# Altium PCB Gebru.PcbDoc (part 1 of 3) (continued)
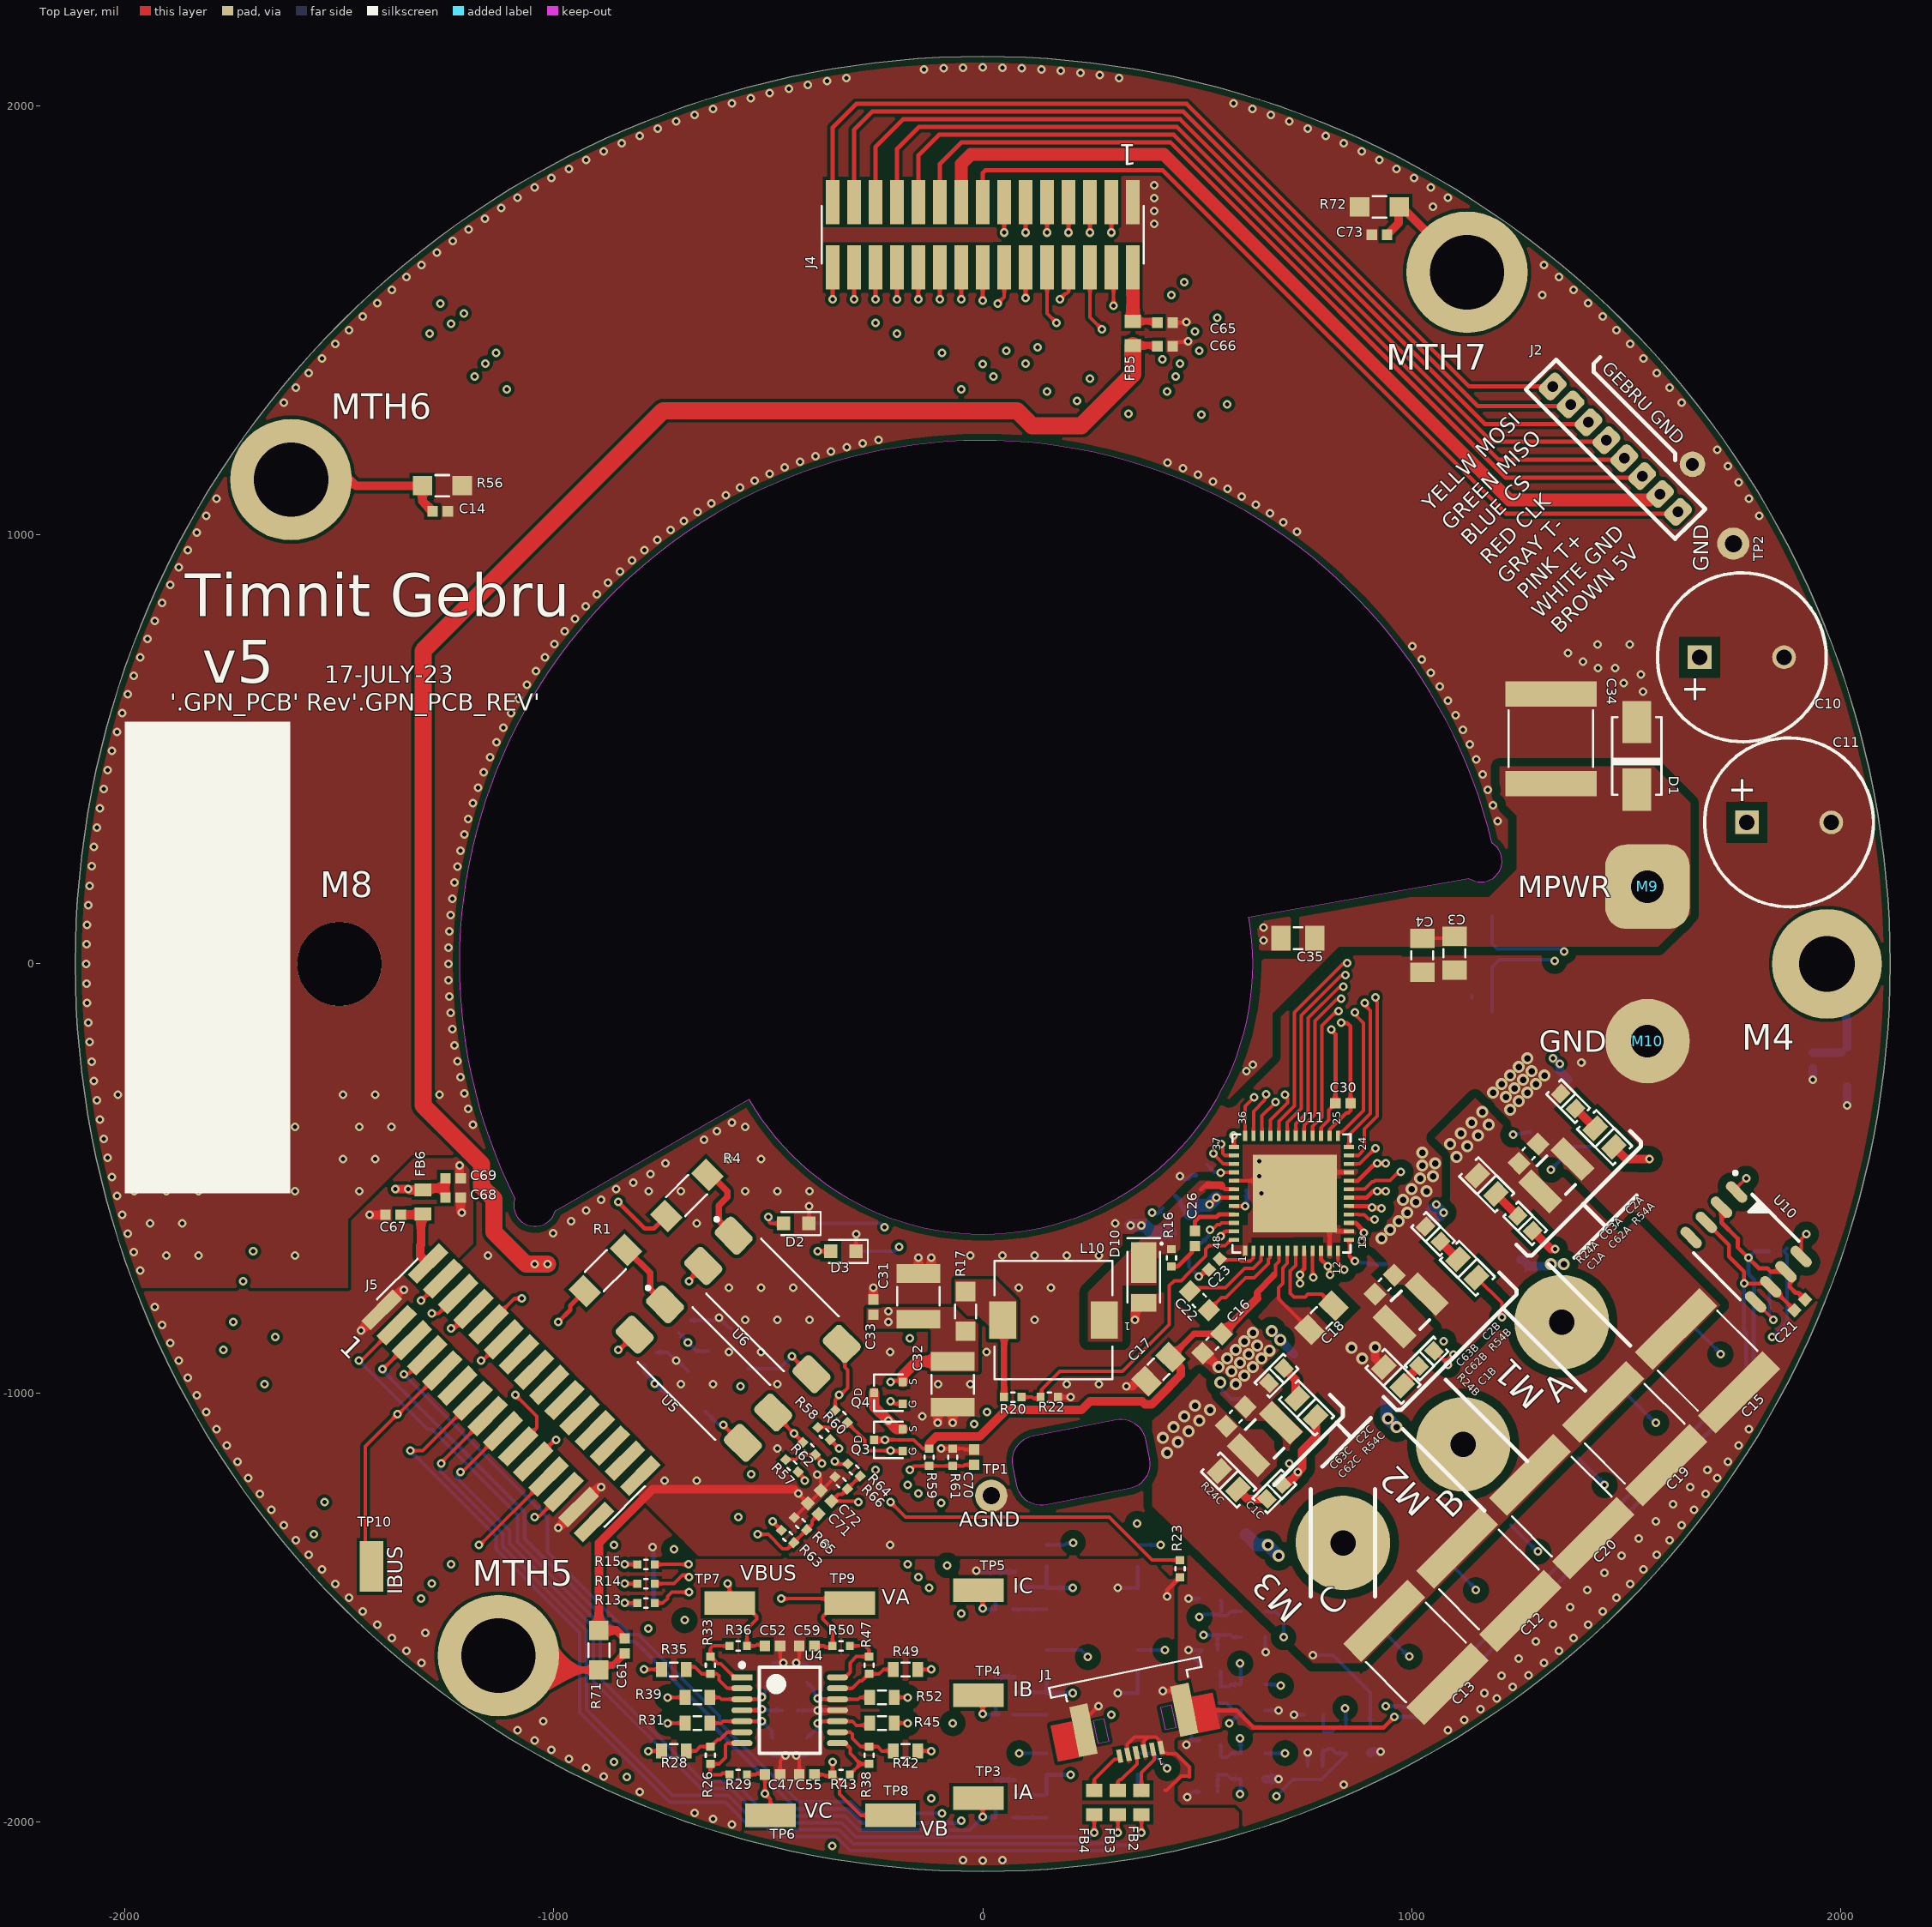
[diagram p0: Top Layer view]
## Design rules (kind name [scope] priority, off if disabled: settings) (continued)
MinimumAnnularRing [All] p1: minimumring=3.5
MinimumSolderMaskSliver MinimumSolderMaskSliver_Via [IsVia vs IsVia] p1: minsoldermaskwidth=0
MinimumSolderMaskSliver [All] p2: minsoldermaskwidth=3
PermittedLayers ThroughHole [IsDIP] p1: toplayerpermitted=TRUE bottomlayerpermitted=FALSE // Single sided through hole only
PermittedLayers [All] p2: toplayerpermitted=TRUE bottomlayerpermitted=TRUE
PlaneClearance HV_1 [InNetClass('HV')] p1: clearance=20
PlaneClearance HV_2 [InNetClass('HVSW')] p2: clearance=20
PlaneClearance [All] p3: clearance=10
PlaneConnect [All] p1: planeconnectstyle=Direct reliefexpansion=20 reliefentries=4 reliefconductorwidth=10 reliefairgap=10
PolygonConnect [All vs IsComponentPad] p1: connectstyle=Direct reliefconductorwidth=10 reliefentries=4 polygonreliefangle="90 Angle" airgapwidth=10
RoutingVias [All] p1: holewidth=10 width=20 viastyle="Through Hole" minholewidth=10 minwidth=20 maxholewidth=50 maxwidth=100
SMDEntry [All] p1: side=TRUE corner=TRUE anyangle=TRUE
SMDToCorner [All] p1: distance=100000
SilkToSilkClearance [All] p1: silktosilkclearance=0
SilkToSolderMaskClearance [IsPad] p1: minsilkscreentomaskgap=1 clearancetoexposedcopper=FALSE
SolderMaskExpansion [All] p1: expansion=0 istentingtop=FALSE
ViasUnderSMD [All] p1: allowed=FALSE
Width diff_1 [InNetClass('Diff100Ohm')] p1: maxlimit=100 minlimit=6 preferedwidth=10
Width [All] p2: maxlimit=300 minlimit=8 preferedwidth=8
16 further rules are at their usual default settings.

## Classes and differential pairs
channel class HBridge: PHA PHB PHC
net class HV: MPWR MPWR_IN NetC1A_2 NetC1B_2 NetC1C_2 NetC2A_2 NetC2B_2 NetC2C_2 NetC50_1
net class HVSW: BST GD_CPH GD_CPL GD_VCP GHA GHB GHC NetC26_2 NetC45_1 NetC54_1 NetC58_1 PHASEA PHASEA_OUT PHASEB PHASEB_OUT PHASEC PHASEC_OUT SW
component class sto: C70 C71 C72 D2 D3 Q3 Q4 Q5 Q6 R1 R2 R4 R21 R57 R58 R59 R60 R61 R62 R63 R64 R65 R66 R69 R70 U5 U6
component class PHC: C1C C2C C62C C63C NT1C Q1C Q2C R24C R54C
component class PHB: C1B C2B C62B C63B NT1B Q1B Q2B R24B R54B
component class PHA: C1A C2A C62A C63A NT1A Q1A Q2A R24A R54A
component class mezz: C65 C66 C67 C68 C69 FB5 FB6 J2 J4 J5
component class feedback: C38 C39 C40 C41 C42 C43 C44 C45 C46 C47 C48 C49 C50 C51 C52 C53 C54 C55 C56 C57 C58 C59 C60 R5 R6 R7 R8 R9 R25 R26 R27 R28 R29 R30 R31 R32 R33 R34 R35 R36 R37 R38 R39 R40 R41 R42 R43 R44 R45 R46 R47 R48 R49 R50 R51 R52 R53 TP3 TP4 TP5 TP6 TP7 TP8 TP9 U1 U2 U3 U4
component class driver: C10 C11 C12 C13 C15 C16 C17 C18 C19 C20 C21 C22 C23 C24 C25 C26 C27 C28 C29 C30 C31 C32 C33 C34 C35 C36 C37 D10 L10 R10 R11 R13 R14 R15 R16 R17 R18 R19 R20 R22 R23 TP10 U10 U11
component class 1-Top: 3 C3 C4 C5 C14 C61 C73 D1 FB2 FB3 FB4 J1 M1 M2 M3 M4 M8 M9 M10 MTH5 MTH6 MTH7 PCB100 R3 R56 R71 R72 TP1 TP2

## Components (designator, comment, footprint, x,y, rotation, side; value= is the part's Value field where it differs from the comment)
C1A "1nF" "CAP 0603_1608 RF" 1265,-605 r135 top (schematic designator C1)
C1B "1nF" "CAP 0603_1608 RF" 1035,-920 r225 top (schematic designator C1)
C1C "1nF" "CAP 0603_1608 RF" 680,-1230 r225 top (schematic designator C1)
C2A "2.2nF" "CAP 0603_1608 RF" 1365,-320 r315 top locked (schematic designator C2)
C2B "2.2nF" "CAP 0603_1608 RF" 1050,-630 r315 top (schematic designator C2)
C2C "2.2nF" "CAP 0603_1608 RF" 685,-960 r45 top (schematic designator C2)
C3 "__Template_Cap_Auto" C0805 1100,25 r270 top value=1UF
C4 "__Template_Cap_Auto" C0805 1025,20 r270 top value=1UF
C5 "__Template_Cap" C0402 1935,-225 r270 bottom value=0.01UF
C10 "WURTH 870056175004" WURTH_WCAP-PTHR_10x12.5x5 1770,715 r180 top value=27µF
C11 "WURTH 870056175004" WURTH_WCAP-PTHR_10x12.5x5 1880,330 r180 top value=27µF
C12 "__Template_Cap" C2220 1180,-1435 r315 top value=15uF
C13 "__Template_Cap" C2220 1010,-1605 r315 top value=15uF
C14 "__Template_Cap" C0402 -1265,1055 r0 top value=0.01UF
C15 "__Template_Cap" C2220 1690,-925 r315 top value=15uF
C16 "__Template_Cap_Auto" C0603 535,-885 r225 top value=0.1UF
C17 "__Template_Cap_Auto" C0805 410,-945 r225 top value=1UF
C18 "__Template_Cap_Auto" C0805 790,-825 r45 top value=1UF
C19 "__Template_Cap" C2220 1520,-1095 r315 top value=15uF
C20 "__Template_Cap" C2220 1350,-1265 r315 top value=15uF
C21 "__Template_Cap" C0402 1905,-795 r45 top value=0.1UF
C22 "__Template_Cap" C0603Y 505,-785 r135 top value=0.047µF
C23 "__Template_Cap" C0402 540,-700 r225 top value=1UF
C24 "__Template_Cap" C0402 1850,-670 r180 bottom value=0.1UF
C25 "__Template_Cap" C0402 505,-485 r225 bottom value=1UF
C26 "__Template_Cap" C0402 495,-640 r270 top value=0.01UF
C27 "__Template_Cap" C0402 -785,-1395 r0 bottom value=0.01UF
C28 "__Template_Cap" C0402 -785,-1445 r0 bottom value=0.01UF
C29 "__Template_Cap" C0402 -785,-1495 r0 bottom value=0.01UF
C30 "__Template_Cap" C0402 840,-325 r180 top value=0.1UF
C31 "__Template_Cap" C1210_H2.7mm -150,-775 r90 top value=10uF
C32 "__Template_Cap" C1210_H2.7mm -70,-980 r270 top value=10uF
C33 "__Template_Cap" C0402 -255,-800 r90 top value=0.1UF
C34 "__Template_Cap" C2220 1325,525 r90 top value=15uF
C35 "__Template_Cap_Auto" C0805 735,60 r180 top value=1UF
C36 "__Template_Cap_Auto" C0603 460,-605 r225 bottom value=0.1UF
C37 "__Template_Cap" C0402 615,-510 r90 bottom value=1UF
C38 "__Template_Cap" C0402 75,-1920 r90 bottom value=0.1UF
C39 "__Template_Cap" C0402 75,-1680 r90 bottom value=0.1UF
C40 "__Template_Cap" C0402 75,-1435 r90 bottom value=0.1UF
C41 "__Template_Cap" C0402 30,-1920 r90 bottom value=0.01UF
C42 "__Template_Cap" C0402 30,-1680 r90 bottom value=0.01UF
C43 "__Template_Cap" C0402 30,-1435 r90 bottom value=0.01UF
C44 "__Template_Cap" C0402 530,-1600 r180 bottom value=47pF
C45 "__Template_Cap" C0402 550,-1540 r270 bottom value=47pF
C46 "__Template_Cap" C0402 -450,-1740 r0 bottom value=0.1UF
C47 "__Template_Cap" C0402 -490,-1890 r0 top value=0.01UF
C48 "__Template_Cap" C0402 530,-1480 r0 bottom value=47pF
C49 "__Template_Cap" C0402 775,-1870 r180 bottom value=47pF
C50 "__Template_Cap" C0402 795,-1810 r270 bottom value=47pF
C51 "__Template_Cap" C0402 530,-1765 r180 bottom value=47pF
C52 "__Template_Cap" C0402 -490,-1590 r0 top value=0.1UF
C53 "__Template_Cap" C0402 775,-1750 r0 bottom value=47pF
C54 "__Template_Cap" C0402 550,-1705 r270 bottom value=47pF
C55 "__Template_Cap" C0402 -410,-1890 r180 top value=0.01UF
C56 "__Template_Cap" C0402 530,-1645 r0 bottom value=47pF
C57 "__Template_Cap" C0402 530,-1930 r180 bottom value=47pF
C58 "__Template_Cap" C0402 550,-1870 r270 bottom value=47pF
C59 "__Template_Cap" C0402 -410,-1590 r180 top value=0.01UF
C60 "__Template_Cap" C0402 530,-1810 r0 bottom value=47pF
C61 "__Template_Cap" C0402 -835,-1590 r90 top value=0.01UF
C62A "CAP_CER_1210_4.7UF_100V_20%_X7S" C1210 1337.42,-492.58 r45 top (schematic designator C62)
C62B "CAP_CER_1210_4.7UF_100V_20%_X7S" C1210 997.58,-807.42 r45 top (schematic designator C62)
C62C "CAP_CER_1210_4.7UF_100V_20%_X7S" C1210 657.58,-1107.42 r45 top (schematic designator C62)
C63A "__Template_Cap_Auto" C0603 1272.73,-442.27 r45 top value=0.1UF (schematic designator C63)
C63B "__Template_Cap_Auto" C0603 937.27,-747.73 r45 top value=0.1UF (schematic designator C63)
C63C "__Template_Cap_Auto" C0603 590,-1055 r45 top value=0.1UF (schematic designator C63)
C65 "__Template_Cap" C0402 425,1495 r0 top value=0.1UF
C66 "__Template_Cap" C0402 425,1440 r0 top value=0.1UF
C67 "__Template_Cap" C0402 -1375,-585 r180 top value=0.1UF
C68 "__Template_Cap" C0402 -1235,-545 r0 top value=0.1UF
C69 "__Template_Cap" C0402 -1235,-500 r0 top value=1UF
C70 "__Template_Cap" C0402 -20,-1150 r90 top value=0.1UF
C71 "__Template_Cap" C0402 -395,-1270 r135 top value=0.01UF
C72 "__Template_Cap" C0402 -365,-1240 r135 top value=0.01UF
C73 "__Template_Cap" C0402 925,1700 r180 top value=0.01UF
D1 "__Template_Diode_TVS_A/K" SMA_B130-13-F 1525,485 r90 top value=SMAT70A-13-F
D2 "POWER" LEDSC160X80X90L40-GREEN -435,-605 r180 top value=Green
D3 "STO" LEDSC160X80X90L40-BLUE -325,-670 r180 top value=Blue
D10 "__Template_Diode_Schottky_A/K" POWERDI123_DFLS1100-7 375,-730 r90 top value=DFLS1100-7
FB2 "LAIRD MI0603L221R-10" INDC160X80X105L30N 370,-1955 r270 top value="220 Ohms @ 100 MHz"
FB3 "LAIRD MI0603L221R-10" INDC160X80X105L30N 315,-1955 r270 top value="220 Ohms @ 100 MHz"
FB4 "LAIRD MI0603L221R-10" INDC160X80X105L30N 260,-1955 r270 top value="220 Ohms @ 100 MHz"
FB5 "LAIRD MI0603L221R-10" INDC160X80X105L30N 350,1470 r270 top value="220 Ohms @ 100 MHz"
FB6 "LAIRD MI0603L221R-10" INDC160X80X105L30N -1305,-555 r90 top value="220 Ohms @ 100 MHz"
J1 "" MOLEX_FPC_527460671 360,-1800 r191.5 top
J2 "DIRECT_SOLDER_8_PIN" 8_PIN_DIRECT_25mil_1.5mm 1475,1200 r135 top
J4 "" HARWIN_M50-3601542 0,1700 r180 top
J5 "" HARWIN_M50-3601542 -1100,-1000 r315 top
L10 "__Template_Inductor" IND_MSS7348 165,-830 r180 top value="220 uH"
M1 "Keystone 8737 binding post" Keystone_8737 1350,-835 r135 top
M2 "Keystone 8737 binding post" Keystone_8737 1120,-1120 r135 top
M3 "Keystone 8737 binding post" Keystone_8737 840,-1350 r90 top
M4 "3.3mm hole 6.5mm pad" 3.3HOLE6.5PAD 1968.5,0 r0 top
M8 "3.7mm hole 5mm pad" 3.7hole5pad 2268.59,0 r0 top
M9 "1.3mm hole 5mm pad" 1.7hole5padSQ 1550,180 r0 top
M10 "1.3mm hole 5mm pad" 1.7hole5padRD 1550,-180 r0 top
MTH5 "9774040960R" 9774040960R -1129.13,-1612.6 r0 top locked
MTH6 "9774040960R" 9774040960R -1612.6,1129.13 r0 top
MTH7 "9774040960R" 9774040960R 1129.13,1612.6 r0 top locked
NT1A "Mechanical Feature NET_TIE_10MIL" NETTIE_10MIL 1236.63,-398.37 r280 bottom net-tie (schematic designator NT1)
NT1B "Mechanical Feature NET_TIE_10MIL" NETTIE_10MIL 900,-700 r270 bottom net-tie (schematic designator NT1)
NT1C "Mechanical Feature NET_TIE_10MIL" NETTIE_10MIL 580,-1015 r270 bottom net-tie (schematic designator NT1)
Q1A "TI CSD19532Q5B" TI_SON5X6 1230,-560 r135 bottom locked value="100V 100A" (schematic designator Q1)
Q1B "TI CSD19532Q5B" TI_SON5X6 910,-880 r135 bottom locked value="100V 100A" (schematic designator Q1)
Q1C "TI CSD19532Q5B" TI_SON5X6 590,-1200 r135 bottom locked value="100V 100A" (schematic designator Q1)
Q2A "TI CSD19532Q5B" TI_SON5X6 1390,-400 r315 bottom locked value="100V 100A" (schematic designator Q2)
Q2B "TI CSD19532Q5B" TI_SON5X6 1070,-720 r315 bottom locked value="100V 100A" (schematic designator Q2)
Q2C "TI CSD19532Q5B" TI_SON5X6 750,-1040 r315 bottom locked value="100V 100A" (schematic designator Q2)
Q3 "PFET_RSF010P05TL" TUMT3 -220,-1110 r90 top
Q4 "PFET_RSF010P05TL" TUMT3 -220,-1000 r90 top
Q5 "ONSEMI BSS123" SOT23-3P95_240X110L43N -680,-1010 r315 bottom
Q6 "ONSEMI BSS123" SOT23-3P95_240X110L43N -580,-910 r315 bottom
R1 "" R1206 -880,-715 r225 top value=3.3K
R2 "PANASONIC ERJ2RKF1822X" RESC100X50X40L25 -435,-605 r0 bottom value=18.2k
R3 "" R0805 2015,-240 r90 bottom value=432K
R4 "" R1206 -690,-540 r45 top value=3.3K
R5 "" "RES 0402_1005 RF" 55,-1750 r180 bottom value=100
R6 "" R2512_H0.8MM 1580,-925 r225 bottom value="0.0015 OHM"
R7 "" R2512_H0.8MM 1310,-1230 r225 bottom value="0.0015 OHM"
R8 "" R2512_H0.8MM 1010,-1475 r225 bottom value="0.0015 OHM"
R9 "" R0402#1 50,-1990 r180 bottom value=100
R10 "" R2512_H0.8MM 1187.38,0 r270 bottom value="0.0015 OHM"
R11 "" R0402#1 1855,-725 r0 bottom value=100
R13 "" R0402#1 -785,-1490 r0 top value=100
R14 "" R0402#1 -785,-1445 r0 top value=100
R15 "" R0402#1 -785,-1400 r0 top value=100
R16 "" R0402#1 440,-685 r90 top value=0
R17 "" R0805 -40,-810 r270 top value=1.3
R18 "" R0402#1 435,-555 r225 bottom value=432K
R19 "" R0402#1 495,-666.36 r45 bottom value=133K
R20 "" R0402#1 70,-1010 r180 top value=10K
R21 "PANASONIC ERJ2RKF8202X" RESC100X50X40L25 -325,-670 r0 bottom value=82k
R22 "" R0402#1 155,-1010 r180 top value=1.15K
R23 "__Template_Thermistor" R0402_H0.55MM 460,-1410 r270 top
R24A "3.9R" "RES 0805_2012 RF" 1175,-515 r135 top (schematic designator R24)
R24B "3.9R" "RES 0805_2012 RF" 956.58,-961.58 r135 top (schematic designator R24)
R24C "3.9R" "RES 0805_2012 RF" 573.42,-1203.42 r135 top (schematic designator R24)
R25 "" R0402#1 50,-1505 r180 bottom value=100
R26 "" R0402#1 -635,-1845 r90 top value=10K
R27 "" R0603 630,-1570 r180 bottom value=100K
R28 "" R0603 -720,-1835 r0 top value=100K
R29 "" R0402#1 -570,-1890 r0 top value=100
R30 "" R0603 630,-1510 r180 bottom value=100K
R31 "" R0603 -665,-1770 r0 top value=100K
R32 "" R0402#1 -490,-1825 r90 bottom value=10K
R33 "" R0402#1 -635,-1635 r270 top value=10K
R34 "" R0603 875,-1840 r180 bottom value=100K
R35 "" R0603 -720,-1645 r0 top value=100K
R36 "" R0402#1 -570,-1590 r0 top value=100
R37 "" R0603 875,-1780 r180 bottom value=100K
R38 "" R0402#1 -265,-1845 r90 top value=10K
R39 "" R0603 -665,-1710 r0 top value=100K
R40 "" R0402#1 -490,-1650 r270 bottom value=10K
R41 "" R0603 630,-1740 r180 bottom value=100K
R42 "" R0603 -180,-1835 r180 top value=100K
R43 "" R0402#1 -330,-1890 r180 top value=100
R44 "" R0603 630,-1680 r180 bottom value=100K
R45 "" R0603 -235,-1770 r180 top value=100K
R46 "" R0402#1 -410,-1825 r90 bottom value=10K
R47 "" R0402#1 -265,-1635 r270 top value=10K
R48 "" R0603 630,-1900 r180 bottom value=100K
R49 "" R0603 -180,-1645 r180 top value=100K
R50 "" R0402#1 -330,-1590 r180 top value=100
R51 "" R0603 630,-1840 r180 bottom value=100K
R52 "" R0603 -235,-1710 r180 top value=100K
R53 "" R0402#1 -410,-1655 r270 bottom value=10K
R54A "2R" "RES 0805_2012 RF" 1450,-405 r315 top locked (schematic designator R54)
R54B "2R" "RES 0805_2012 RF" 1130,-710 r315 top (schematic designator R54)
R54C "2R" "RES 0805_2012 RF" 755,-1035 r315 top (schematic designator R54)
R56 "" R0805 -1260,1115 r180 top value=432K
R57 "" R0402#2 -445,-1170 r315 top value=10K
R58 "" R0402#1 -370,-1095 r315 top value=10K
R59 "" R0402#1 -125,-1150 r90 top value=56K
R60 "" R0402#1 -330,-1055 r315 top value=10K
R61 "" R0402#1 -70,-1150 r270 top value=6.19K
R62 "" R0402#1 -405,-1130 r315 top value=10K
R63 "" R0402#1 -455,-1335 r135 top value=432K
R64 "" R0402#1 -300,-1180 r135 top value=432K
R65 "" R0402#1 -425,-1305 r315 top value=68.1K
R66 "" R0402#1 -330,-1210 r315 top value=68.1K
R69 "" R0402#1 -775,-920 r225 bottom value=10K
R70 "" R0402#1 -695,-845 r225 bottom value=10K
R71 "" R0805 -895,-1600 r270 top value=432K
R72 "" R0805 925,1765 r0 top value=432K
TP1 "TEST_KEYSTONE5001" TP_KEYSTONE_5001 20,-1240 r0 top
TP2 "TEST_KEYSTONE5001" TP_KEYSTONE_5001 1750,980 r0 top
TP3 "TEST_KEYSTONE5015" TP_KEYSTONE_5015 -10,-1945 r180 top
TP4 "TEST_KEYSTONE5015" TP_KEYSTONE_5015 -10,-1705 r180 top
TP5 "TEST_KEYSTONE5015" TP_KEYSTONE_5015 -10,-1460 r180 top
TP6 "TEST_KEYSTONE5015" TP_KEYSTONE_5015 -495,-1985 r180 top
TP7 "TEST_KEYSTONE5015" TP_KEYSTONE_5015 -590,-1490 r180 top
TP8 "TEST_KEYSTONE5015" TP_KEYSTONE_5015 -215,-1985 r180 top
TP9 "TEST_KEYSTONE5015" TP_KEYSTONE_5015 -310,-1490 r180 top
TP10 "TEST_KEYSTONE5015" TP_KEYSTONE_5015 -1425,-1405 r270 top
U1 "INA240A1D" "TI SOIC-8 D0008A" 255,-1915 r180 bottom
U2 "INA240A1D" "TI SOIC-8 D0008A" 255,-1675 r180 bottom
U3 "INA240A1D" "TI SOIC-8 D0008A" 255,-1430 r180 bottom
U4 "MCP6064" 14TSSOP65 -450,-1740 r0 top
U5 "OPTO_HCPL-817-56CE" OPTO_HCPL-817-56CE -650,-955 r315 top
U6 "OPTO_HCPL-817-56CE" OPTO_HCPL-817-56CE -490,-795 r315 top
U10 "INA240A1D" "TI SOIC-8 D0008A" 1780,-660 r315 top
U11 "MOTOR_DRIVE_DRV8353RSRGZT" VQFN50P700X700X100-48-TP_TP-CUST_NO_VIAS 720,-535 r90 top

## Footprints (in the part's own frame and the unit in brackets; to place one, negate y for a bottom-side part, rotate by r counter-clockwise, add the part's x,y. Pads: shape width x height; smd on the part's side, far side on the other; paste and mask are expansions set on the pad)
1.7hole5padRD [mm] "1.7mm hole with 5mm round pad"
  round 5 hole 1.93 paste-1.27 mask+0.051: 1(0,0)
1.7hole5padSQ [mm] "1.7mm hole with 5mm square pad"
  rrect50% 5x5 hole 1.93 paste-1.27 mask+0.051: 1(0,0)
3.3HOLE6.5PAD [mm] "3.7mm hole with 6.5mm pad"
  round 6.5 hole 3.3: 1(0,0)
3.7hole5pad [mm] "3.7mm hole with 5mm pad"
  round 5 hole 5 paste-1.27 mask+0.051: 1(-95.722,0)
8_PIN_DIRECT_25mil_1.5mm [mil]
  rrect50% 45x60 hole 25: 1(-206.69,0) 2(-147.64,0) 3(-88.58,0) 4(-29.53,0) 5(29.53,0) 6(88.58,0) 7(147.64,0) 8(206.69,0)
  silkscreen extent -247,-50 246,49
14TSSOP65 [mm] "TSOP, 14-Leads, Body 5.1x4.5mm (max), Pitch 0.65mm, IPC High Density"
  rect 1.25x0.35 smd: 1(-2.825,1.95)
  oval 1.25x0.35 smd: 2(-2.825,1.3) 3(-2.825,0.65) 4(-2.825,0) 5(-2.825,-0.65) 6(-2.825,-1.3) 7(-2.825,-1.95) 8(2.825,-1.95) 9(2.825,-1.3) 10(2.825,-0.65) 11(2.825,0) 12(2.825,0.65) 13(2.825,1.3) 14(2.825,1.95)
  silkscreen extent -2.95,-2.55 1.8,2.8, body extent -3.2,-2.5 3.2,2.5, height 1.2
9774040960R [mm]
  round 7.2 / inner round 0 / far side round 0 hole 4.4 unplated: 1(0,0)
  body extent -3,-3 2.99,3, height 4.01
C0402 [mm] "Chip Capacitor, 2-Leads, Body 1.0x0.5mm, IPC High Density"
  rect 0.62x0.62 smd mask+0.05: 1(-0.45,0) 2(0.45,0)
  body extent -0.53,-0.28 0.53,0.28, height 0.55
C0603 [mm] "Chip Capacitor, 2-Leads, Body 1.6x0.8mm, IPC High Density"
  rect 0.95x1 smd mask+0.05: 1(-0.8,0) 2(0.8,0)
  silkscreen extent -0.1,-0.4 0.1,0.4, body extent -0.8,-0.4 0.8,0.4, height 0.9
C0603Y [mm]
  rect 0.9x1 smd mask+0.05: 1(-0.8,0) 2(0.8,0)
  silkscreen extent -0.1,-0.45 0.1,0.45, body extent -0.85,-0.45 0.85,0.45, height 0.9
C0805 [mm] "Chip Capacitor, 2-Leads, Body 2.0x1.3mm, IPC High Density"
  rect 1.15x1.45 smd mask+0.05: 1(-1,0) 2(1,0)
  silkscreen extent -0.25,-0.65 0.25,0.65, body extent -1,-0.62 1,0.63, height 1.4
C1210 [mm] "Chip Capacitor, 2-Leads, Body 3.2x2.5mm, IPC High Density"
  rect 1.1x2.6 smd: 1(-1.35,0) 2(1.35,0)
  silkscreen extent -0.4,-1.2 0.4,1.2, body extent -1.6,-1.25 1.6,1.25, height 2.5
C1210_H2.7mm [mm]
  rect 1.1x2.6 smd mask+0.05: 1(-1.35,0) 2(1.35,0)
  silkscreen extent -0.55,-1.25 0.55,1.25, body extent -1.6,-1.25 1.6,1.25, height 2.7
C2220 [mm] "Chip Capacitor, 2-Leads, Body 5.7x5.0mm, IPC High Density"
  rect 1.5x5.4 smd mask+0.05: 1(-2.65,0) 2(2.65,0)
  silkscreen extent -1.68,-2.5 1.68,2.5, body extent -2.8,-2.5 2.8,2.5, height 2.54
"CAP 0603_1608 RF" [mm] "Chip Capacitor, 2-Leads, Body 1.60x0.80mm, IPC High Density"
  rect 0.8x0.9 smd: 1(-0.625,0) 2(0.625,0)
  silkscreen extent -1.2,-0.63 1.2,0.63, body extent -0.8,-0.41 0.8,0.41, height 0.82
HARWIN_M50-3601542 [mm]
  rect 0.8x2.62 smd mask+0.05: 1(-8.89,-1.94) 2(-8.89,1.94) 3(-7.62,-1.94) 4(-7.62,1.94) 5(-6.35,-1.94) 6(-6.35,1.94) 7(-5.08,-1.94) 8(-5.08,1.94) 9(-3.81,-1.94) 10(-3.81,1.94) 11(-2.54,-1.94) 12(-2.54,1.94) 13(-1.27,-1.94) 14(-1.27,1.94) 15(0,-1.94) 16(0,1.94) 17(1.27,-1.94) 18(1.27,1.94) 19(2.54,-1.94) 20(2.54,1.94) 21(3.81,-1.94) 22(3.81,1.94) 23(5.08,-1.94) 24(5.08,1.94) 25(6.35,-1.94) 26(6.35,1.94) 27(7.62,-1.94) 28(7.62,1.94) 29(8.89,-1.94) 30(8.89,1.94)
  silkscreen extent -9.52,-1.7 9.53,1.7, body extent -9.52,-2.75 9.53,2.75, height 4.7
IND_MSS7348 [mm]
  rect 1.6x2.2 smd mask+0.05: 1(-3,0) 2(3,0)
  silkscreen extent -3.5,-3.5 3.5,3.5, body extent -3.66,-3.68 3.66,3.64, height 4.8
INDC160X80X105L30N [mm] "Chip Inductor, 2-Leads, Body 1.60x0.80mm, IPC Medium Density"